# KiCad board Rev2-oled cover.kicad_pcb (continued)
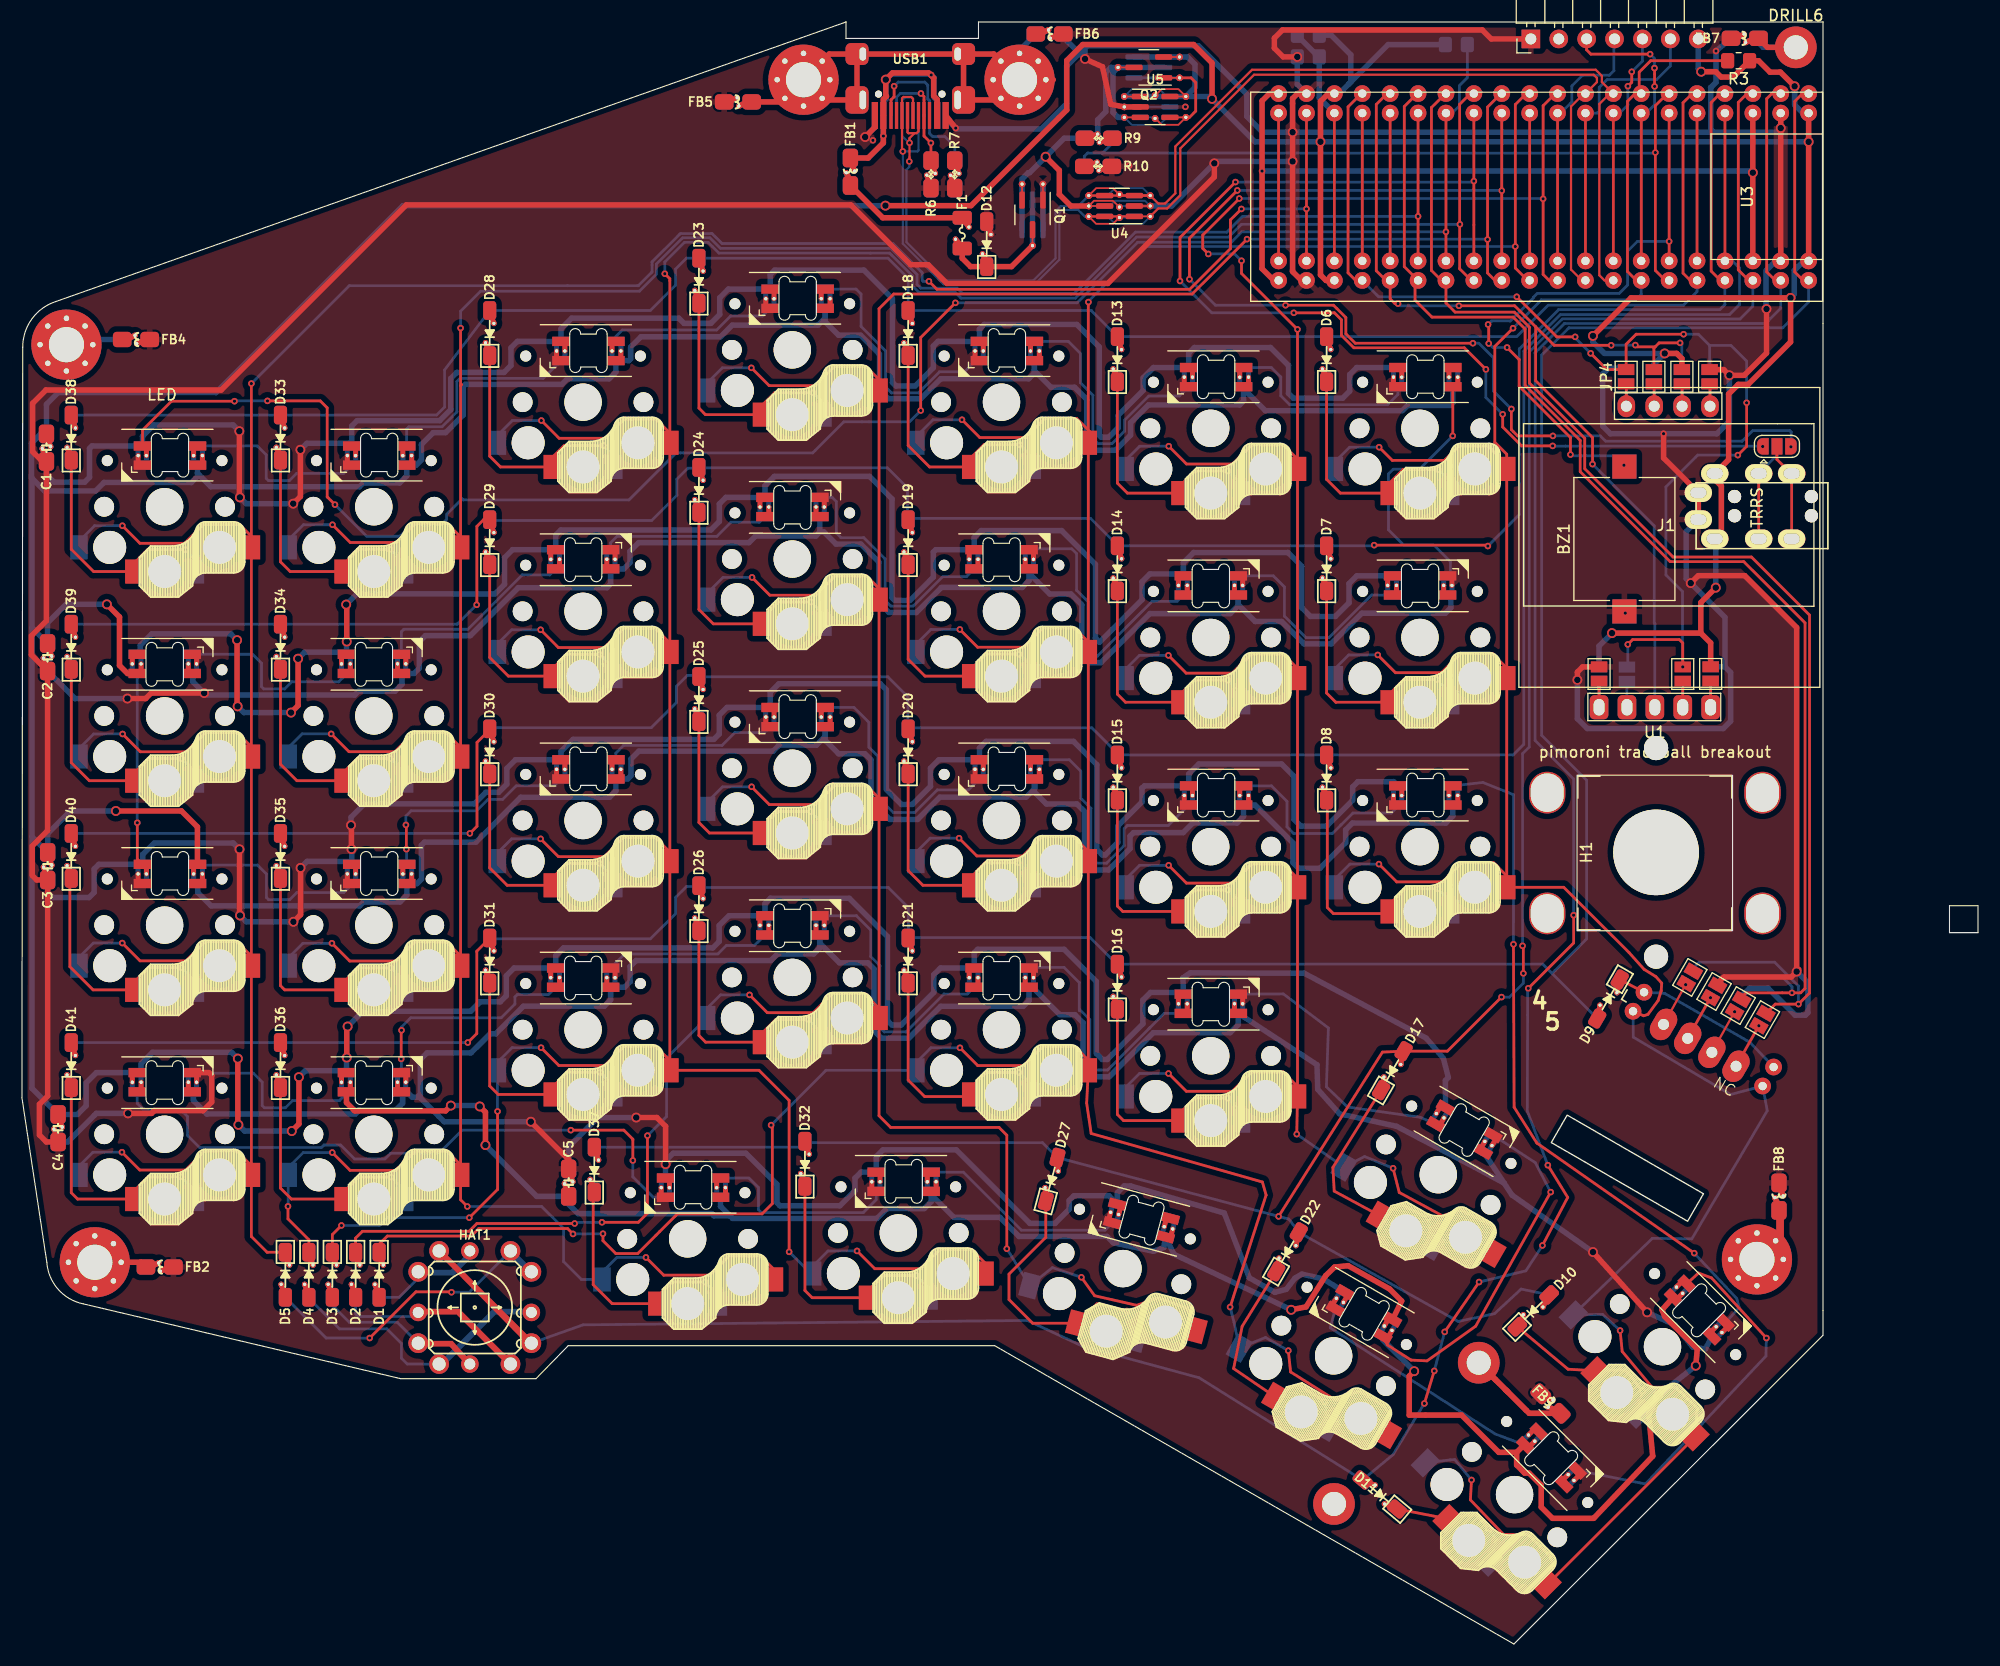
[diagram p0: board, top side]
## Routing (per net, layer and track width the routed paths; a pad name or vN(x,y) marks a point on that pad's centre or on a via; arc(x,y) is an arc through that point) (continued)
M: length 4.2
  Top w0.25: SW5.A v2(158.14,56.31)
MISO: length 26.7
  Top w0.25: U3.32 U3.32
  Bottom w0.25: U3.32 143.43,139.43 143.61,139.61 143.61,141.77 144.33,142.49 148.84,142.49 150.09,143.74 J3.6
MOSI: length 21.7
  Top w0.25: v2(146.57,143.19) 146.57,142.23 v2(146.22,141.88) ; U3.33 U3.33
  Bottom w0.25: J3.5 147.54,144.17 v2(146.57,143.19) ; v2(146.22,141.88) 146.22,140.17 145.48,139.43 U3.33
N: length 4.2
  Top w0.2: SW5.B v2(155.94,57.59)
O: length 4.2
  Top w0.25: SW5.C v2(153.74,58.87)
P: length 4.3
  Top w0.2: JP24.1 v2(151.48,60.05) SW5.D
PLUG: length 73.2
  Top w0.25: U3.6 149.82,141.21 148.72,140.11 v2(148.72,135.84) 148.72,125.1 149.63,124.19 149.97,124.19
  Bottom w0.25: 98.31,135.79 97.02,135.79 96.73,135.5 R10.1 ; 98.31,135.79 98.38,135.79 99.28,136.69 R9.2 ; 98.31,135.79 148.67,135.79 v2(148.72,135.84)
row0: length 183.3
  Top w0.25: 152.51,124.19 151.9,124.19 151.24,124.85 151.24,140.37 152.08,141.21 U3.5
  Bottom w0.25: 152.51,124.19 152.51,123.18 151.27,121.93 138.95,121.93 136.09,119.07 D6.2 D13.2 97.36,121.45 D18.2 80.69,124.38 78.85,126.22 D23.2 60.51,126.22 59.51,125.22 59.51,123.75 57.21,121.45 D28.2 38.48,116.04 38.48,112.66 37.75,111.93 D33.2 D38.2
row1: length 204.9
  Top w0.25: 41.42,94.66 41.42,101.79 42.03,102.4 D29.2 ; U3.4 154.62,141.21 153.8,140.39 153.8,125.04 154.65,124.19 155.06,124.19 ; v2(123.12,100.08) 133.39,100.08 v2(133.47,100)
  Bottom w0.25: 61.58,107.12 78.8,107.12 80.63,105.29 80.63,102.36 ; 42.71,102.33 57.34,102.33 59.63,104.62 59.63,106.09 60.63,107.09 61.76,107.09 ; 155.06,124.19 155.06,122 154.59,121.53 139.91,121.53 136.33,117.95 136.33,102.86 v2(133.47,100) ; 99.67,100.14 97.29,102.52 80.62,102.52 ; D14.2 D7.2 123.06,100.02 v2(123.12,100.08) ; D39.2 D34.2 39.64,92.88 39.67,92.92 39.67,92.93 v2(41.4,94.65)
row2: length 224.2
  Top w0.25: v2(40.78,73.83) 41.43,74.48 41.43,82.11 42.59,83.27 D30.2 ; U3.37 U3.37
  Bottom w0.25: D40.2 D35.2 v2(40.78,73.83) ; 80.74,83.45 97.41,83.45 99.79,81.07 ; U3.37 155.73,125.97 156.38,125.32 156.38,121.99 155.47,121.08 140.08,121.08 136.74,117.74 136.74,81.94 135.77,80.97 D8.2 D15.2 ; 61.62,88.09 78.84,88.09 80.67,86.26 80.67,83.33 ; 61.72,88.22 60.59,88.22 59.59,87.22 59.59,85.75 57.3,83.46 42.67,83.46
row3: length 263.1
  Top w0.25: D31.2 42.59,64.28 41.41,63.1 41.41,55.6 v2(40.59,54.78) ; U3.1 162.12,141.21 161.41,140.5 161.41,124.96 162.18,124.19 162.68,124.19
  Bottom w0.25: 139.33,61.07 139.59,61.33 139.59,61.35 142.46,64.22 142.46,78.67 138.37,82.76 138.37,117.39 140.86,119.88 160.32,119.88 162.68,122.24 162.68,124.19 ; 139.33,61.07 138.47,61.92 D16.2 ; 139.33,61.07 D9.2 ; D41.2 D36.2 v2(40.59,54.78) ; 61.64,68.99 60.51,68.99 59.51,67.99 59.51,66.52 57.22,64.23 42.59,64.23 ; 99.64,61.96 97.26,64.34 80.59,64.34 ; 61.66,68.9 78.88,68.9 80.71,67.07 80.71,64.14
row4: length 226.2
  Top w0.25: U3.3 157.08,141.21 156.27,140.4 156.27,125.15 157.23,124.19 157.59,124.19 ; v2(136.7,61.08) 136.7,63.52 v2(136.63,63.59) ; v2(114.42,38.95) 123.87,53.91 D17.2 129.79,54 v2(134.71,58.92)
  Bottom w0.25: v2(134.71,58.92) 135.43,58.92 136.7,60.19 v2(136.7,61.08) ; D37.2 70.75,45.25 D32.2 71.42,45.66 92.92,45.66 D27.2 v2(114.42,38.95) 115.35,38.7 D22.2 130.77,29.38 134.08,30.09 136.5,32.33 D10.2 ; v2(136.63,63.59) 136.63,81.09 137.24,81.7 137.24,117.68 140.24,120.68 156.43,120.68 157.59,121.84 157.59,124.19
row5: length 239.4
  Top w0.25: v2(127.69,21.91) v2(128.59,24.88) ; U3.2 159.33,141.21 158.86,140.74 158.86,124.97 159.64,124.19 160.13,124.19 ; v2(129.54,28.43) v2(132.67,32.97) ; v2(141.28,66.38) 141.28,63.85 v2(137.15,59.72) ; v2(138.93,43.61) 140.74,40.68 v2(138.44,36.3)
  Bottom w0.25: 160.13,124.19 160.13,121.66 158.75,120.27 140.44,120.27 137.77,117.6 137.77,82.3 141.28,78.79 v2(141.28,66.38) ; v2(127.69,21.91) 124.84,17.25 D11.2 107.18,24.25 96.53,27.14 91.54,29.47 51.08,29.07 HAT1.4 ; v2(138.93,43.61) 137.06,48.54 137.09,57.27 137.09,59.66 v2(137.15,59.72) ; v2(128.59,24.88) v2(129.54,28.43) ; v2(138.44,36.3) 136.93,33.99 v2(132.67,32.97)
SCK: length 24
  Top w0.25: U3.31 U3.31
  Bottom w0.25: J3.4 144.95,146.13 144.95,143.3 144.53,142.88 142.1,142.88 141.12,141.9 141.12,140.45 140.1,139.43 U3.31
SCL: length 92.3
  Top w0.25: v2(150.97,118.5) 149.06,118.5 148.71,118.15 ; v2(144.7,118.28) 139.51,118.28 137.82,119.97 ; 148.71,118.15 147.06,118.15 v2(146.9,118.3) ; 148.71,118.15 148.59,118.03 JP3.2 ; 137.82,119.97 137.82,115.06 143,109.88 v2(143,107.46) ; 137.82,119.97 135.91,121.88 v2(130.83,121.88) ; U3.16 124.3,141.21 123.31,140.22 123.31,125.07 124.19,124.19 124.57,124.19 124.57,122.52 125.01,122.08 v2(125.29,122.08)
  Bottom w0.25: v2(144.7,118.28) 144.72,118.3 v2(146.9,118.3) ; JP6.2 151.13,118.34 v2(150.97,118.5) ; v2(125.29,122.08) 125.49,121.88 v2(130.83,121.88) ; U1.3 148.68,92.95 148.62,93 148.62,101.84 v2(143,107.46)
SDA: length 106.1
  Top w0.25: v2(146.21,91.04) 146.65,91.48 150.9,91.48 151.22,91.17 v2(151.22,88.99) ; v2(142.83,117.55) 144.31,116.07 JP4.2 146.06,118.38 146.97,119.29 v2(151.29,119.29) ; v2(136.1,122.7) 139.75,119.05 v2(141.42,119.05) ; 122.03,124.19 121.43,124.19 120.74,124.88 120.74,140 121.95,141.21 U3.17 ; v2(157.03,113.05) 157.03,109.08 v2(156.23,108.28)
  Bottom w0.25: v2(136.1,122.7) 123.53,122.7 122.03,124.19 ; v2(156.23,108.28) 152.57,108.28 149.68,105.39 149.68,97.37 151.19,95.86 151.19,89.02 v2(151.22,88.99) ; v2(157.03,113.05) 157.03,116.84 155.6,118.27 153.66,118.27 ; v2(141.42,119.05) 141.42,118.96 v2(142.83,117.55) ; 153.66,118.27 152.64,119.29 v2(151.29,119.29) ; 153.66,118.27 JP5.2 ; v2(146.21,91.04) 146.21,89.06 JP15.2
SHIELD: length 52.5
  Top w0.5: DRILL5.1 88.99,140.63 USB1.S1 USB1.S1 USB1.S1 ; DRILL5.1 93.9,142.47 ; DRILL5.1 88.49,144.81 USB1.S1 ; FB5.1 69.14,140.45 DRILL4.1 ; DRILL4.1 73.5,144.81 USB1.S1 USB1.S1 73,140.63 DRILL4.1
  Bottom w0.5: FB6.1 90.83,145.16 DRILL5.1
SPLIT_HAND: length 22
  Top w0.25: U3.23 U3.23
  Bottom w0.5: R4.2 116.12,146.49 118.06,144.55 R5.1 118.12,140.81 U3.23
USART3_RX: length 113.8
  Top w0.25: v2(106.3,124.3) 106.3,128.03 v2(110.66,132.39) ; v2(139.39,110.03) 136.18,110.03 135.61,110.6 v2(135.61,112.48) ; U3.29 v2(134.74,132.37) U3.29 ; v2(132.11,118.47) 121.4,118.47 120.54,119.33 120.54,120.81 119.42,121.93 v2(115.05,121.93)
  Bottom w0.25: JP11.3 161.09,110.38 160.96,110.51 157.58,110.51 156.62,109.55 144.19,109.55 143.71,110.03 v2(139.39,110.03) ; v2(115.05,121.93) 108.67,121.93 v2(106.3,124.3) ; v2(135.61,112.48) 133.97,114.12 133.97,117.16 132.66,118.47 v2(132.11,118.47) ; v2(134.74,132.37) 134.71,132.39 v2(110.66,132.39)
  vias: v2(161.06,109.04)
USART3_TX: length 108.6
  Top w0.25: v2(134.82,112) 134.82,110.84 136.54,109.12 v2(139.37,109.12) ; v2(105.44,124.14) 105.44,128.1 v2(110.49,133.15) ; v2(115.8,121.24) 119.5,121.24 120.14,120.6 120.14,119.18 121.26,118.06 131.32,118.06 v2(133.29,116.09) ; U3.28 v2(132.19,133.24) U3.28
  Bottom w0.25: v2(115.8,121.24) 108.34,121.24 v2(105.44,124.14) ; v2(134.82,112) 133.29,113.53 v2(133.29,116.09) ; JP11.1 139.39,109.1 v2(139.37,109.12) ; v2(132.19,133.24) 132.11,133.15 v2(110.49,133.15)
  vias: v2(158.49,109.06)
V: length 4.8
  Top w0.25: U1.5 JP14.1
  Bottom w0.25: U1.5 JP14.1
V_USB: length 35.6
  Top w0.5: FB1.2 77.04,135.34 78.43,136.73 v2(78.43,137.34) USB1.A4 78.43,140.68 78.71,140.96 78.65,141.02 v1(78.65,142.48) ; USB1.A4 83.33,140.68 83.01,141 83.01,142.63 82.55,143.09 79.26,143.09 v1(78.65,142.48) ; 78.66,142.47 v1(78.65,142.48)
  Bottom w0.5: USB1.A4 83.33,140.57 83.06,140.84 83.06,142.63 v2(82.79,142.9) 82.71,142.98 79.15,142.98 v1(78.65,142.48) 78.69,142.44 78.69,140.73 78.43,140.47 USB1.A4 v2(78.43,137.34) 78.43,136.69 77.08,135.34 FB1.2
W: length 4.8
  Top w0.25: U1.1 JP10.1
  Bottom w0.25: U1.1 JP10.1
X: length 2.4
  Top w0.25: U1.4 JP16.1
Y: length 2.4
  Bottom w0.25: U1.2 JP15.1
Net-(D1-Pad2): length 4.9
  Bottom w0.25: HAT1.1 36.08,33.32 34.34,31.58 D1.2
Net-(D2-Pad2): length 7.5
  Bottom w0.25: D2.2 30.38,30.07 30.62,29.83 35.71,29.83 HAT1.2
Net-(D3-Pad2): length 10
  Bottom w0.25: HAT1.3 34.17,29.31 29.8,29.31 28.26,30.85 D3.2
Net-(D4-Pad2): length 15.2
  Bottom w0.25: D4.2 26.12,31.49 28.91,28.7 33.23,28.7 34.55,27.38 34.55,26.03 35.08,25.5 HAT1.5
Net-(D5-Pad2): length 25.4
  Top w0.25: v2(31.66,27.87) 35.87,32.08 39.07,32.08 v2(39.11,32.04)
  Bottom w0.25: v2(31.66,27.87) 27.69,27.87 D5.2 ; HAT1.6 40.72,32.04 v2(39.11,32.04)
Net-(D6-Pad1): length 23.6
  Top w0.25: D6.1 118.79,106.07 120.04,104.82 SW1.5 124.49,105.71 125.75,106.97 v2(128.96,106.97)
  Bottom w0.25: SW1.5 130.09,105.84 v2(128.96,106.97)
Net-(D7-Pad1): length 23.5
  Top w0.25: 124.47,85.81 124.47,86.48 125.83,87.84 v2(128.82,87.84) ; SW2.5 119.63,85.77 118.79,86.61 D7.1
  Bottom w0.25: v2(128.82,87.84) 130.07,86.59 130.07,85.81
Net-(D8-Pad1): length 23.9
  Top w0.25: D8.1 118.85,76.81 118.85,67.08 119.4,66.53 124.3,66.53 SW3.5 ; v2(128.93,68.79) 125.94,68.79 124.58,67.43 124.58,66.76
  Bottom w0.25: v2(128.93,68.79) 130.18,67.54 130.18,66.76
Net-(D9-Pad1): length 16.4
  Top w0.25: SW5.S1 D9.1
  Bottom w0.25: SW5.S1 149.57,59.26 157.33,54.8 SW5.S1
Net-(D10-Pad1): length 15.9
  Top w0.25: D10.1 140.77,25.03 SW4.5 145.99,24.97 v2(147.55,23.05)
  Bottom w0.25: SW4.5 v2(147.55,23.05)
Net-(D11-Pad1): length 12.4
  Top w0.25: v2(133.53,10.53) 132.45,11.74 131.69,11.74 SW6.5 D11.1
  Bottom w0.25: SW6.5 134.24,9.56 v2(133.53,10.53)
Net-(D13-Pad1): length 23.4
  Top w0.25: D13.1 99.74,105.73 100.65,104.82 SW7.5 105.44,105.49 106.8,106.85 v2(109.79,106.85)
  Bottom w0.25: v2(109.79,106.85) 111.04,105.6 SW7.5
Net-(D14-Pad1): length 23.5
  Top w0.25: SW8.5 100.48,85.77 99.74,86.51 D14.1 ; 105.41,85.77 105.41,86.44 106.77,87.8 v2(109.76,87.8)
  Bottom w0.25: v2(109.76,87.8) 111.01,86.55 111.01,85.77
Net-(D15-Pad1): length 23.7
  Top w0.25: SW9.5 100.23,66.72 99.74,67.21 D15.1 ; 105.43,66.65 105.43,67.32 106.79,68.68 v2(109.78,68.68)
  Bottom w0.25: v2(109.78,68.68) 111.03,67.43 111.03,66.65
Net-(D16-Pad1): length 24
  Top w0.25: v2(109.77,49.72) 106.78,49.72 105.42,48.36 105.42,47.69 ; SW10.5 100.3,47.67 99.74,48.23 D16.1
  Bottom w0.25: v2(109.77,49.72) 111.02,48.47 111.02,47.69
Net-(D17-Pad1): length 22.7
  Top w0.25: D17.1 119.36,43.41 119.48,41.25 SW11.5 125.66,40.01 v2(128.03,38.81)
  Bottom w0.25: v2(128.03,38.81) SW11.5
Net-(D18-Pad1): length 23
  Top w0.25: D18.1 80.69,109.15 82.64,107.2 SW12.5 86.39,108.03 87.59,109.23 v2(90.85,109.23)
  Bottom w0.25: SW12.5 91.99,108.09 v2(90.85,109.23)
Net-(D19-Pad1): length 23.1
  Top w0.25: v2(90.77,90.16) 87.78,90.16 86.42,88.8 86.42,88.13 ; SW13.5 82.22,88.15 80.69,89.68 D19.1
  Bottom w0.25: v2(90.77,90.16) 92.02,88.91 92.02,88.13
Net-(D20-Pad1): length 23.2
  Top w0.25: 86.35,69.12 86.35,69.79 87.71,71.15 v2(90.7,71.15) ; SW14.5 82.03,69.1 80.69,70.44 D20.1
  Bottom w0.25: v2(90.7,71.15) 91.95,69.9 91.95,69.12
Net-(D21-Pad1): length 23.4
  Top w0.25: 86.43,50.03 86.43,50.7 87.79,52.06 v2(90.78,52.06) ; D21.1 80.69,51.36 82.19,49.86 86.19,49.86 SW15.5
  Bottom w0.25: v2(90.78,52.06) 92.03,50.81 92.03,50.03
Net-(D22-Pad1): length 22
  Top w0.25: v2(118.62,22.08) 116.33,23.57 115.9,23.55 SW16.5 110.32,25.09 111.1,28.94 D22.1
  Bottom w0.25: v2(118.62,22.08) SW16.5
Net-(D23-Pad1): length 24.3
  Top w0.25: D23.1 61.64,112.56 62.23,111.97 SW17.5 67.34,112.77 68.53,113.96 v2(72.02,113.96)
  Bottom w0.25: SW17.5 72.94,113.04 v2(72.02,113.96)
Net-(D24-Pad1): length 23.2
  Top w0.25: v2(71.85,94.9) 68.86,94.9 67.5,93.54 67.5,92.87 ; SW18.5 62.94,92.92 61.64,94.22 D24.1
  Bottom w0.25: v2(71.85,94.9) 73.1,93.65 73.1,92.87
Net-(D25-Pad1): length 23.4
  Top w0.25: v2(71.81,75.83) 68.82,75.83 67.46,74.47 67.46,73.8 ; SW19.5 62.59,73.87 61.64,74.82 D25.1
  Bottom w0.25: v2(71.81,75.83) 73.06,74.58 73.06,73.8
Net-(D26-Pad1): length 23.6
  Top w0.25: D26.1 61.64,55.42 62.24,54.82 SW20.5 ; 67.27,54.85 67.27,55.52 68.63,56.88 v2(71.62,56.88)
  Bottom w0.25: v2(71.62,56.88) 72.87,55.63 72.87,54.85
Net-(D27-Pad1): length 25.5
  Top w0.25: D27.1 93.22,37.04 89.87,33.69 89.87,31.37 92.02,29.22 SW21.5 96.11,29.22 97.88,30.99 v2(100.6,30.33)
  Bottom w0.25: v2(100.6,30.33) SW21.5
Net-(D28-Pad1): length 23.6
  Top w0.25: D28.1 42.59,108.18 43.57,107.2 SW22.5 48.29,108.08 49.36,109.15 v2(52.95,109.15)
  Bottom w0.25: v2(52.95,109.15) 53.89,108.21 SW22.5
Net-(D29-Pad1): length 23
  Top w0.25: v2(52.6,90.13) 49.61,90.13 48.25,88.77 48.25,88.1 ; SW23.5 44.29,88.15 42.59,89.85 D29.1
  Bottom w0.25: v2(52.6,90.13) 53.85,88.88 53.85,88.1
Net-(D30-Pad1): length 23
  Top w0.25: SW24.5 44.18,69.1 42.59,70.69 D30.1 ; v2(52.6,71.09) 49.61,71.09 48.25,69.73 48.25,69.06
  Bottom w0.25: v2(52.6,71.09) 53.85,69.84 53.85,69.06
Net-(D31-Pad1): length 23.5
  Top w0.25: SW25.5 43.36,50.05 42.59,50.82 D31.1 ; 48.29,50.04 48.29,50.71 49.65,52.07 v2(52.64,52.07)
  Bottom w0.25: 53.89,50.04 53.89,50.82 v2(52.64,52.07)
Net-(D32-Pad1): length 23.6
  Top w0.25: D32.1 71.29,32.2 71.95,31.54 SW26.5 ; 77.06,31.53 77.06,32.2 78.42,33.56 v2(81.41,33.56)
  Bottom w0.25: 82.66,31.53 82.66,32.31 v2(81.41,33.56)
Net-(D33-Pad1): length 23.4
  Top w0.25: v2(33.5,99.7) 30.66,99.7 29.24,98.28 SW27.5 24.42,97.68 23.54,98.56 D33.1
  Bottom w0.25: SW27.5 34.84,98.36 v2(33.5,99.7)
Net-(D34-Pad1): length 23.1
  Top w0.25: 29.18,78.62 29.18,79.29 30.54,80.65 v2(33.53,80.65) ; SW28.5 25.03,78.63 23.54,80.12 D34.1
  Bottom w0.25: v2(33.53,80.65) 34.78,79.4 34.78,78.62
Net-(D35-Pad1): length 23.8
  Top w0.25: SW29.5 23.92,59.58 23.54,59.96 D35.1 ; v2(33.6,61.58) 30.61,61.58 29.25,60.22 29.25,59.55
  Bottom w0.25: v2(33.6,61.58) 34.85,60.33 34.85,59.55
Net-(D36-Pad1): length 23.4
  Top w0.25: v2(33.63,42.52) 30.64,42.52 29.28,41.16 29.28,40.49 ; 23.54,50.68 23.54,41.52 24.53,40.53 SW30.5
  Bottom w0.25: 34.88,40.49 34.88,41.27 v2(33.63,42.52)
Net-(D37-Pad1): length 23.1
  Top w0.25: 57.84,30.94 57.84,31.61 59.2,32.97 v2(62.19,32.97) ; SW31.5 53.74,31 52.01,32.73 52.01,41.05 D37.1
  Bottom w0.25: v2(62.19,32.97) 63.44,31.72 63.44,30.94
Net-(D38-Pad1): length 23
  Top w0.25: v2(14.89,99.67) 11.45,99.67 10.19,98.41 SW32.5 6.52,97.68 4.49,99.71 D38.1
  Bottom w0.25: v2(14.89,99.67) 15.79,98.77 SW32.5
Net-(D39-Pad1): length 23
  Top w0.25: v2(14.54,80.64) 11.55,80.64 10.19,79.28 10.19,78.61 ; SW33.5 6.13,78.63 4.49,80.27 D39.1
  Bottom w0.25: 15.79,78.61 15.79,79.39 v2(14.54,80.64)
Net-(D40-Pad1): length 22.9
  Top w0.25: 10.16,59.57 10.16,60.24 11.52,61.6 v2(14.51,61.6) ; D40.1 4.36,69.6 4.36,61.69 6.47,59.58 SW34.5
  Bottom w0.25: v2(14.51,61.6) 15.76,60.35 15.76,59.57
Net-(D41-Pad1): length 23.6
  Top w0.25: 10.13,40.52 10.13,41.19 11.49,42.55 v2(14.48,42.55) ; 4.49,50.68 4.49,41.1 5.06,40.53 SW35.5
  Bottom w0.25: 15.73,40.52 15.73,41.3 v2(14.48,42.55)
Net-(J1-Pad1): length 4.1
  Top w0.25: JP4.1 146.07,114.76 J1.1
  Bottom w0.25: J1.1 146.07,114.76 JP8.1
Net-(J1-Pad2): length 4.1
  Top w0.25: JP3.1 148.62,114.74 148.62,112.73
  Bottom w0.25: JP3.1 148.62,114.74 148.62,112.73
Net-(J1-Pad3): length 4.1
  Top w0.25: J1.3 151.16,114.75 JP2.1
  Bottom w0.25: JP2.1 151.16,114.75 J1.3
Net-(J1-Pad4): length 4.1
  Top w0.25: J1.4 153.69,114.73 JP1.1
  Bottom w0.25: J1.4 153.69,114.73 JP1.1
Net-(J2-PadB): length 9
  Top w0.25: J2.B J2.B 161.06,106.61 159.79,107.89 JP12.2
Net-(J2-PadC): length 9.1
  Top w0.25: J2.C J2.C
  Bottom w0.25: JP11.2 159.79,108.27 J2.C
Net-(Q2-Pad1): length 9.5
  Top w0.25: Q2.1 106.44,142.64 106.87,142.21 106.87,139.61 106.3,139.04 U5.4
  Bottom w0.25: Q2.1 Q2.1
Net-(SW1-Pad2): length 25.1
  Top w0.25: v2(130.27,110.03) 130.28,110.04 SW1.2
  Bottom w0.25: SW2.4 130.06,97.55 130.06,98.58 128.55,100.09 125.81,100.09 124.42,101.48 124.42,106.56 124.86,107 127.24,107 v2(130.27,110.03)
Net-(SW1-Pad4): length 17.5
  Bottom w0.25: SW1.4 125.28,113.81 124.34,112.87 115.43,112.87 114.62,113.68 114.62,115.39 113.75,116.26 SW7.2
Net-(SW2-Pad2): length 19.5
  Bottom w0.25: SW2.2 122.89,95.54 119.01,91.66 116.9,91.66 114.95,93.61 114.95,96.27 113.93,97.29 SW8.4
Net-(SW3-Pad2): length 63.9
  Top w0.25: v2(135.8,63.73) 135.86,48.89 137.93,45.63 v2(152.26,35.6)
  Bottom w0.25: SW4.4 156.35,30.65 156.13,31.47 v2(152.26,35.6) ; v2(135.8,63.73) 135.81,77.35 133.02,78.47 SW3.2
Net-(SW3-Pad4): length 18.4
  Bottom w0.25: SW3.4 125.28,76.28 124.68,75.68 121.18,75.68 120.09,74.59 ; 120.09,74.59 120.09,74.62 ; 120.09,74.59 119.32,73.82 115.78,73.82 115.18,74.42 115.18,76.75 113.77,78.16 SW9.2
Net-(SW4-Pad2): length 34.1
  Top w0.25: SW4.2 152.65,33.79 153.84,33.34 v2(158.83,27.87)
  Bottom w0.25: SW6.4 147.82,14.58 158.79,26.23 v2(158.83,27.87)
Net-(SW10-Pad2): length 24.3
  Bottom w0.25: 102.69,56.15 102.69,56.12 102.62,56.05 ; 102.62,56.05 98.85,52.28 97.52,52.28 97.23,52.57 97.23,56.86 96.27,57.82 ; 102.62,56.05 104.01,57.44 SW10.2 ; 96.27,57.82 96.27,57.68 ; 96.27,57.82 96.27,60.24 94.89,61.62 91.75,61.62 SW15.4
Net-(SW10-Pad4): length 25.5
  Bottom w0.25: SW11.2 127.33,47.97 120.68,48.91 118.77,50.75 118.95,56.11 114.85,59.21 SW10.4
Net-(SW11-Pad4): length 32
  Top w0.25: v2(139.19,41.16) 132.36,28.95 127.93,25.79 126.48,25.86 124.32,27.24 SW16.2
  Bottom w0.25: SW11.4 137.79,43.84 v2(139.19,41.16)
Net-(SW12-Pad2): length 24.5
  Bottom w0.25: SW7.4 105.38,113.66 102.59,113.66 100.4,111.47 100.4,110.47 99.25,109.32 97.97,109.32 97.51,109.78 97.51,113.74 96.37,114.88 96.37,117.54 95.27,118.64 SW12.2
Net-(SW12-Pad4): length 22.8
  Bottom w0.25: SW12.4 86.84,116.89 85.82,115.87 83.54,115.87 81.62,113.95 79.17,113.95 78.64,114.48 78.64,117.76 76.4,120 76.4,122.95 75.95,123.4 SW17.2
Net-(SW13-Pad2): length 23.4
  Bottom w0.25: SW13.2 85.99,97.21 83.83,97.21 81.15,94.53 79.11,94.53 78.59,95.05 78.59,98.82 76.65,100.76 74.57,100.76 74.15,101.18 74.15,104.05 73.77,104.43 SW18.4
Net-(SW13-Pad4): length 25.1
  Bottom w0.25: SW8.2 105.17,94.96 102.9,94.96 97.91,89.97 97.39,89.97 97.07,90.29 97.07,94.92 96.02,95.97 96.02,99.31 95.58,99.75 91.78,99.75 SW13.4
Net-(SW14-Pad2): length 25.2
  Bottom w0.25: SW14.2 95.36,80.54 96.41,79.49 96.41,77.03 97.33,76.11 97.33,71.7 97.3,71.67 97.3,71.57 97.75,71.12 98.76,71.12 100.35,72.71 100.35,74.25 100.65,74.55 104.37,74.55 SW9.4
Net-(SW14-Pad4): length 22.8
  Bottom w0.25: SW19.2 75.75,85.3 77.11,83.94 77.11,81.68 77.93,80.86 77.93,77.14 79.34,75.73 81.28,75.73 83.34,77.79 86.18,77.79 SW14.4
Net-(SW15-Pad2): length 24.8
  Bottom w0.25: SW15.2 86.08,59.2 83.95,59.2 80.5,55.75 78.51,55.75 78.12,56.14 78.12,61.77 77.28,62.61 77.28,65.03 75.98,66.33 SW20.4
Net-(SW16-Pad4): length 22.6
  Bottom w0.25: SW6.2 134.12,19.14 119.12,28.8 SW16.4
Net-(SW17-Pad4): length 15.6
  Bottom w0.25: SW17.4 67.43,120.95 64.53,120.95 63.26,119.68 54.66,119.68 54.08,119.1 SW22.2
Net-(SW18-Pad2): length 15.7
  Bottom w0.25: SW18.2 67.14,102.17 64.56,102.17 63.27,100.88 54.18,100.88 53.6,100.3 SW23.4
Net-(SW19-Pad4): length 15.7
  Bottom w0.25: SW19.4 67.59,83.01 64.91,83.01 63.74,81.84 54.77,81.84 54.08,81.15 SW24.2
Net-(SW20-Pad2): length 15.3
  Bottom w0.25: SW20.2 66.69,63.62 64.13,63.62 63.36,62.85 54.88,62.85 SW25.4
Net-(SW21-Pad4): length 19
  Bottom w0.25: SW26.2 85.71,42.98 91,37.69 98.61,37.69 SW21.4
Net-(SW22-Pad4): length 19.8
  Bottom w0.25: SW22.4 47.46,115.27 39.88,115.27 39.6,114.99 39.6,112.21 38.25,110.86 35.22,110.86 35.03,110.67 SW27.2
Net-(SW23-Pad2): length 18.5
  Bottom w0.25: SW28.4 34.55,92.2 34.77,92.42 40.6,92.42 45.55,97.37 48.05,97.37 SW23.2
Net-(SW24-Pad4): length 19.9
  Top w0.25: v2(34.96,74.6) 35,74.56 v2(35,72.39)
  Bottom w0.25: SW24.4 48.45,78.16 45,78.16 43.77,76.93 42.44,76.93 41.4,75.89 35.44,75.89 34.96,75.41 v2(34.96,74.6) ; SW29.2 35.03,72.36 v2(35,72.39)
Net-(SW25-Pad2): length 20.1
  Top w0.25: v2(34.53,53.29) 34.53,55.87 v2(34.56,55.9)
  Bottom w0.25: SW25.2 47.93,59.15 45.1,59.15 44.88,58.93 44.88,58.28 43.64,57.04 35.4,57.04 34.56,56.2 v2(34.56,55.9) ; v2(34.53,53.29) 34.55,53.27 SW30.4
Net-(SW26-Pad4): length 17.9
  Bottom w0.25: SW31.2 66.19,42.44 67.06,41.57 67.06,39.56 67.33,39.29 76.6,39.29 77.78,40.47 SW26.4
Net-(SW27-Pad4): length 17.2
  Bottom w0.25: SW27.4 29.27,106.61 25,106.61 24.35,105.96 22.44,105.96 22.24,106.16 22.24,108.3 21.43,109.11 SW32.2
Net-(SW28-Pad2): length 17.2
  Bottom w0.25: 29.6,88.39 28.84,87.64 24.57,87.64 23.92,86.99 22.01,86.99 21.81,87.19 21.81,89.33 21,90.14 15.55,90.14
Net-(SW29-Pad4): length 17.2
  Bottom w0.25: 16,70.94 21.45,70.94 22.26,70.13 22.26,67.99 22.46,67.79 24.37,67.79 25.02,68.44 29.29,68.44 30.05,69.19
Net-(SW30-Pad2): length 17.2
  Bottom w0.25: 15.61,51.99 21.06,51.99 21.87,51.18 21.87,49.04 22.07,48.84 23.98,48.84 24.63,49.49 28.9,49.49 29.66,50.24
Net-(SW31-Pad4): length 58.1
  Top w0.25: v2(55.62,44.04) 55.62,45.98 54.8,46.8 v2(49.97,46.8)
  Bottom w0.25: v2(49.97,46.8) 40.07,46.8 37.97,44.7 33.57,44.7 33.05,44.18 30.28,44.18 29.01,45.45 27.5,45.45 27.27,45.22 16.17,45.22 15.07,46.32 15.07,48.05 14.49,48.63 11.1,48.63 10.5,49.23 SW35.2 ; v2(55.62,44.04) 55.62,42.55 57.48,40.69 SW31.4
Net-(SW33-Pad2): length 17.6
  Top w0.25: SW34.4 10.5,71.49 v2(10.5,74.8)
  Bottom w0.25: v2(10.5,74.8) 10.5,74.8 SW33.2
unconnected-(U3-Pad21): length 13.5
  Top w0.25: U3.21 U3.21
unconnected-(U3-Pad24): length 13.5
  Top w0.25: U3.24 U3.24
unconnected-(U3-Pad25): length 13.5
  Top w0.25: U3.25 U3.25
unconnected-(U3-Pad30): length 13.5
  Top w0.25: U3.30 U3.30
unconnected-(U3-Pad36): length 13.5
  Top w0.25: U3.36 U3.36

## Copper pours and planes (outline as drawn; the poured copper is in the pictures)
GND on Top, Bottom: 210.87,-19.34 -7.69,13.6 -11.47,154.02 193.8,189.39

## Text on the board
F.Silkscreen: LED | 4 | 5
